# Altium PCB EBAZ4205.PcbDoc (part 4 of 6) (continued)
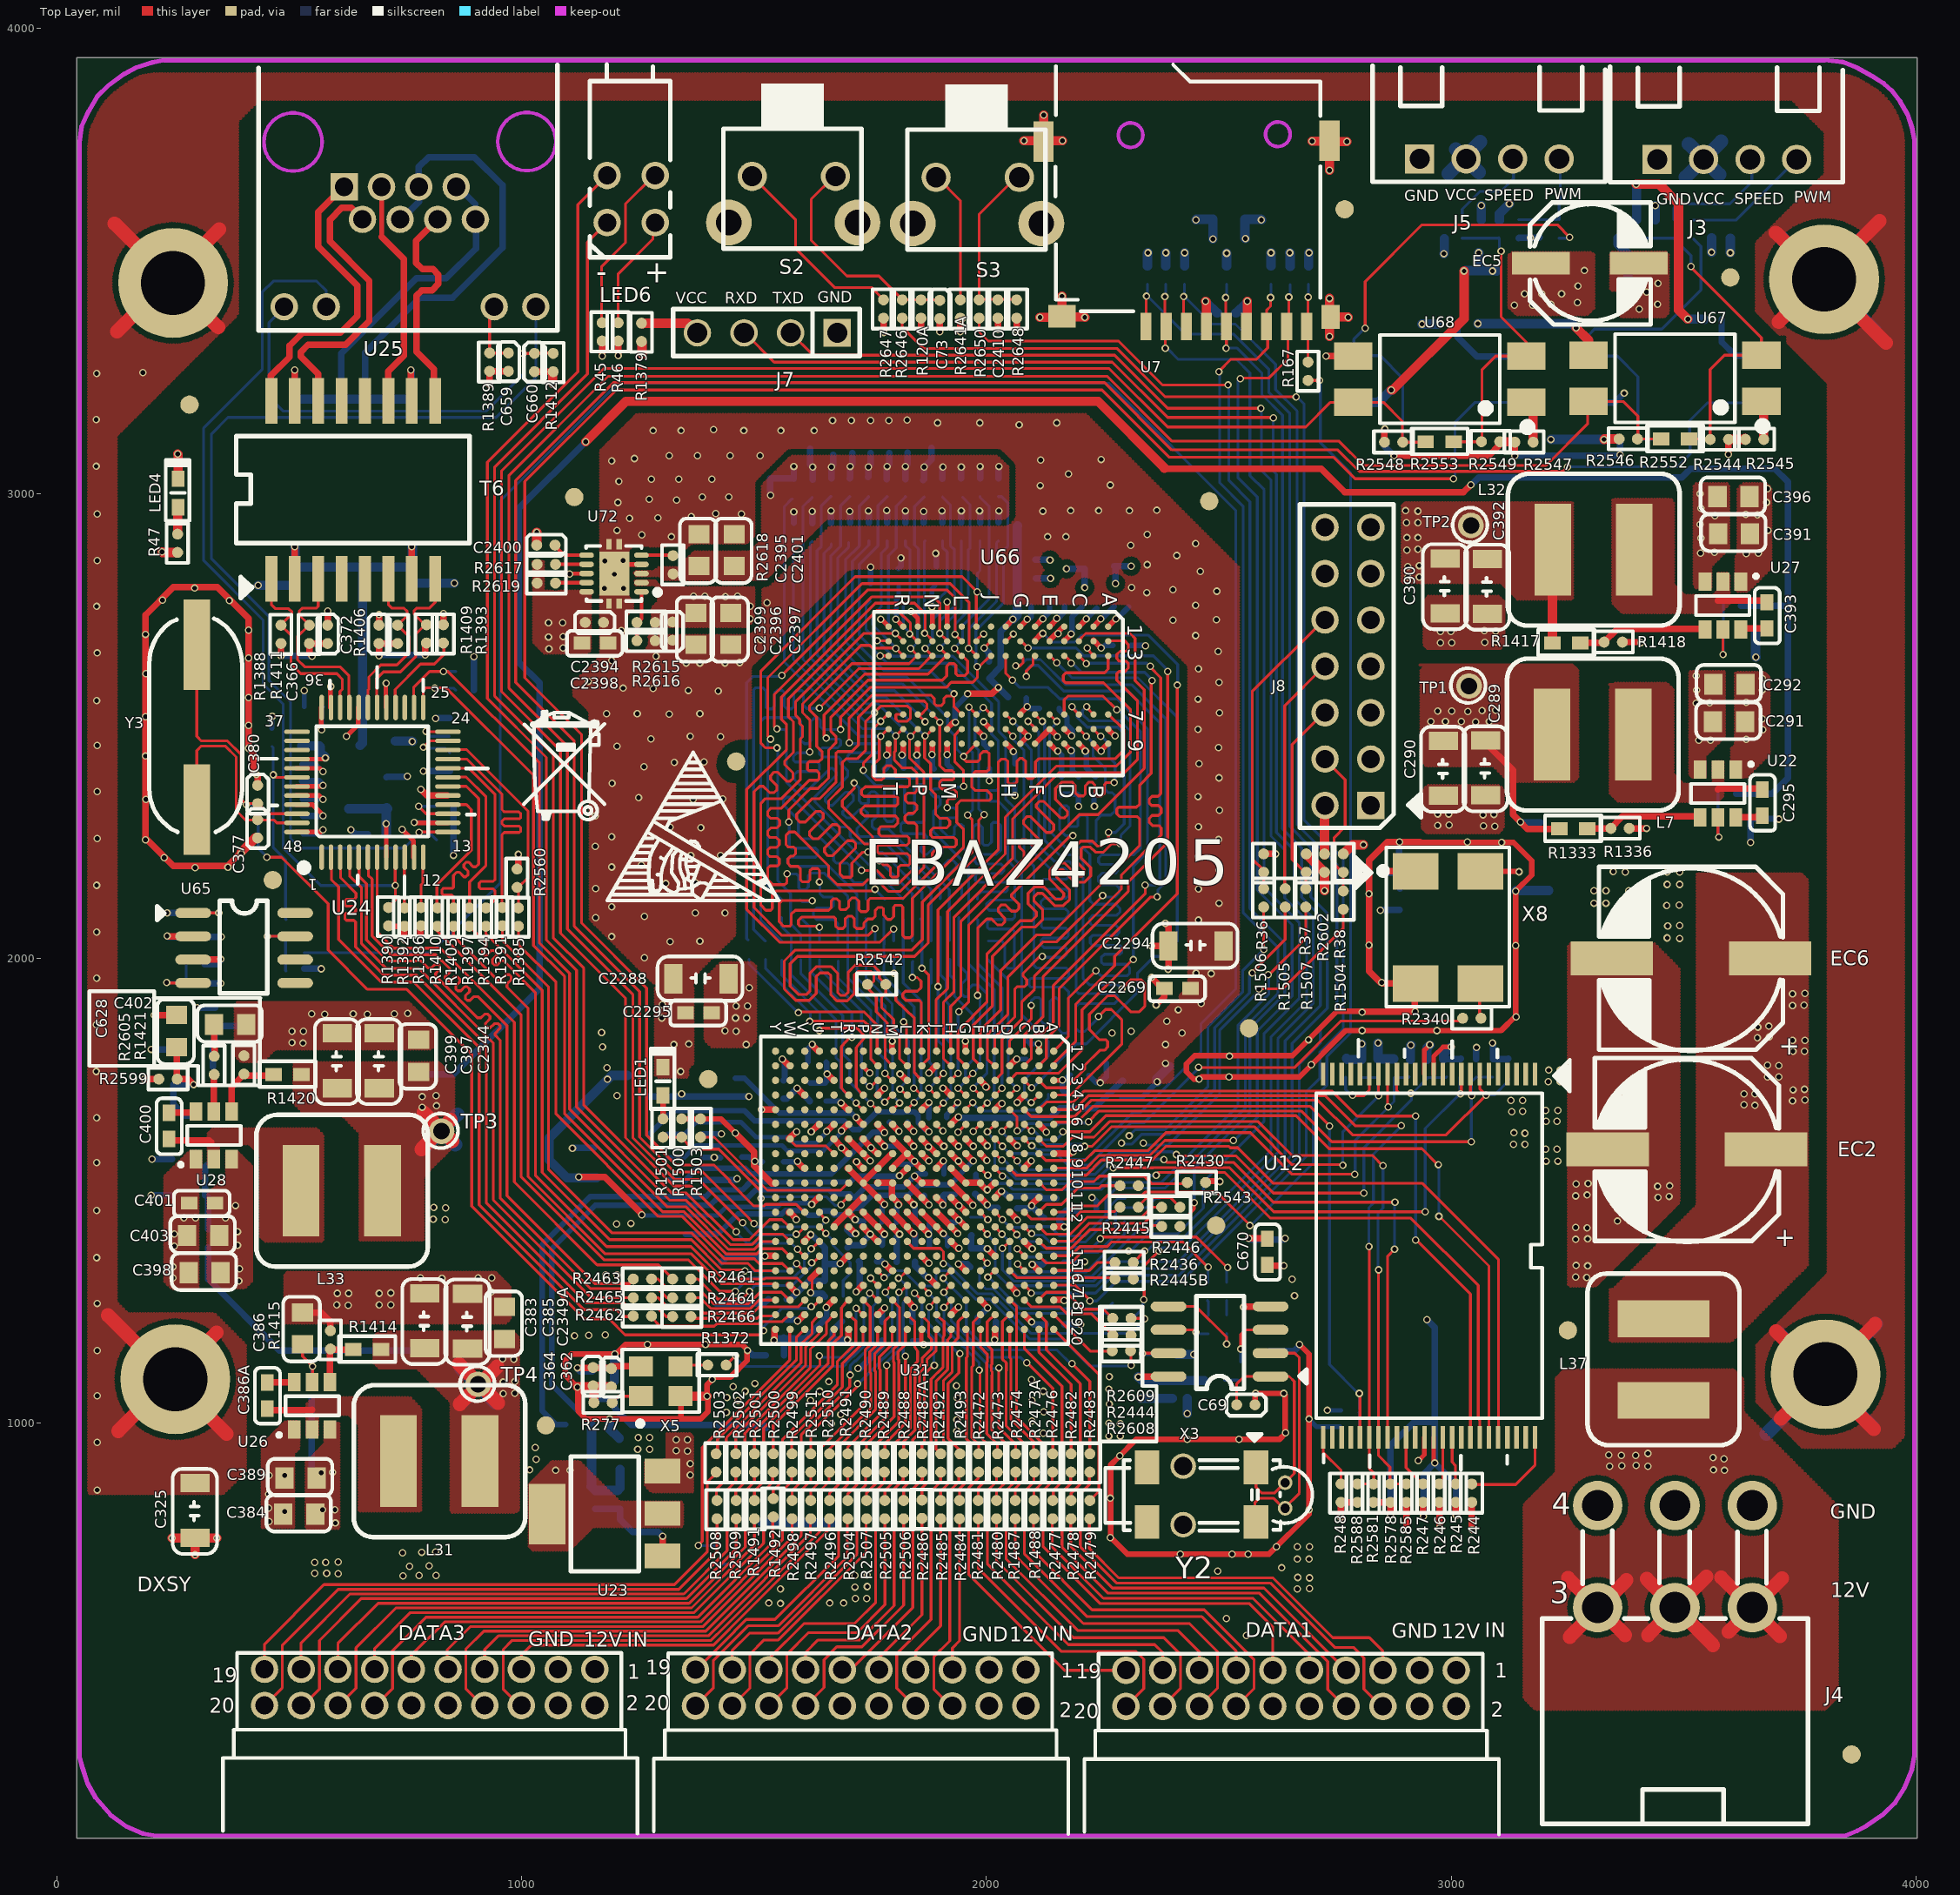
[diagram p0: Top Layer view]
## Nets (pads, with @x,y where several pads share a name; then routed paths per layer and width w, separated by ;. In a path a pad name is that pad's centre, name@x,y a point inside that pad or via, vN(x,y) a via of type N, cw(c..) or ccw(c..) an arc to the next point about the centre after c; other vN are vias at no path point) (continued)
  Bottom Layer w6: R166.1@2692.91,3449.8 2692.91,3424.21 v1@2693.9,3423.23
NetU12_25: R248.2 U12.25 | length 114.3
  Top Layer w6: U12.25@2724.41,969.49 2724.41,937.01 2762.8,898.62 R248.2@2762.8,871.06
NetU12_34: R247.2 U12.34 | length 117.4
  Top Layer w6: U12.34@2902.73,969.49 2902.73,904.36 2938.98,868.11 R247.2@2939.96,868.11
NetU12_38: R246.2 U12.38 | length 101.3
  Top Layer w6: R246.2@2977.36,870.08 2981.98,874.7 U12.38@2981.98,969.49
NetU12_39: R245.2 U12.39 | length 105.3
  Top Layer w6: U12.39@3001.8,969.49 3001.8,916.51 3008.86,909.45 R245.2@3008.86,867.13
NetU12_48: R244.2 U12.48 | length 213
  Top Layer w6: R244.2@3044.29,868.11 3138.78,868.11 3180.12,909.45 U12.48@3180.12,969.49
NetU20_3: C628.1 R2599.2 U20.3 U21.1 | length 240.9
  Top Layer w14: C628.1@257.87,1809.05 257.87,1741.14 R2599.2@258.86,1740.16 282.48,1740.16 v1(294.29,1728.35)
  Bottom Layer w14: U20.3@286.42,1661.42 275.59,1661.42 250.98,1686.02 U21.1@250.98,1728.35 v1(294.29,1728.35)
NetU22_2: C295.2 L7.2 U22.2 | length 97.1
  Top Layer w14: 3573.82,2363.19 3575.79,2365.16 3667.32,2365.16 C295.2@3669.29,2363.19
NetU22_4: R1333.2 R1336.1 U22.4 | length 253.5
  Top Layer w14: R1333.2@3292.32,2278.54 3293.31,2279.53 3342.52,2279.53 3368.11,2305.12 3533.46,2305.12 U22.4@3534.45,2304.13
NetU22_5: C294.2 R2603.1 U22.5 | length 128.6
  Top Layer w6: U22.5@3573.82,2303.15 3573.82,2262.79 v1(3575.79,2260.83)
  Bottom Layer w6: R2603.1@3573.82,2354.33 3573.82,2313.98 C294.2@3575.79,2312.01 ; v1@3574.8,2257.87 C294.2@3574.8,2300.2
NetU22_6: C295.1 U22.6 | length 53.2
  Top Layer w14: U22.6@3610.24,2303.15 3655.51,2303.15 C295.1@3659.45,2307.09 ; C295.1@3668.31,2309.05 3668.31,2308.07 C295.1@3669.29,2307.09
NetU24_10: R1392.2 U24.10 | length 109.4
  Top Layer w6: U24.10@747.67,2217.52 747.67,2108.63 R1392.2@748.03,2108.27
NetU24_12: R1386.2 U24.12 | length 109.3
  Top Layer w6: R1386.2@784.45,2110.24 783.46,2111.22 783.46,2157.48 787.4,2161.42 U24.12@787.4,2217.52
NetU24_15: R1381.2 U24.15 | length 104
  Top Layer w6: v1(778.54,2326.77) 794.47,2310.84 U24.15@840.55,2310.84
  Bottom Layer w6: v1(778.54,2326.77) R1381.2@813.98,2326.77
NetU24_16: R1410.2 U24.16 | length 296.8
  Top Layer w6: R1410.2@817.91,2109.25 817.91,2158.46 891.73,2232.28 891.73,2319.88 881.17,2330.44 U24.16@840.55,2330.44
NetU24_18: R1405.2 U24.18 | length 422.9
  Top Layer w6: R1405.2@853.35,2108.27 853.35,2131.89 849.41,2135.83 831.69,2135.83 828.74,2138.78 828.74,2147.64 831.69,2150.59 851.38,2150.59 853.35,2152.56 853.35,2178.15 860.24,2185.04 866.14,2185.04 875.98,2175.2 879.92,2175.2 884.84,2180.12 884.84,2187.01 875.98,2195.87 875.98,2201.77 880.91,2206.69 885.83,2206.69 895.67,2196.85 901.57,2196.85 907.48,2202.76 907.48,2343.5 880.91,2370.08 U24.18@854.33,2370.08
NetU24_19: R1397.2 U24.19 | length 343.2
  Top Layer w6: U24.19@851.38,2389.76 880.91,2389.76 923.23,2347.44 923.23,2199.8 887.8,2164.37 R1397.2@887.8,2108.27
NetU24_20: R1394.2 U24.20 | length 435.9
  Top Layer w6: U24.20@840.55,2408.82 886.45,2408.82 942.91,2352.36 942.91,2169.29 938.98,2165.35 912.4,2165.35 908.46,2161.42 908.46,2152.56 911.42,2149.61 937.99,2149.61 942.91,2144.68 942.91,2126.97 R1394.2@925.2,2109.25
NetU24_21: R1391.2 U24.21 | length 535.1
  Top Layer w6: U24.21@840.55,2428.42 882.61,2428.42 957.68,2353.35 957.68,2319.88 962.6,2314.96 994.09,2314.96 998.03,2311.02 998.03,2302.17 996.06,2300.2 962.6,2300.2 957.68,2295.28 957.68,2289.37 962.6,2284.45 994.09,2284.45 998.03,2280.51 998.03,2273.62 995.08,2270.67 962.6,2270.67 957.68,2265.75 957.68,2110.24 R1391.2@958.66,2109.25
NetU24_23: R1408.2 U24.23 | length 117.1
  Top Layer w6: v1(788.39,2453.74) 802.25,2467.61 U24.23@840.55,2467.61
  Bottom Layer w6: v1@790.35,2451.77 835.63,2451.77 R1408.2@845.47,2441.93
NetU24_24: R1396.1 U24.24 | length 101.9
  Top Layer w6: v1(794.29,2488.19) 795.28,2487.2 U24.24@840.55,2487.2
  Bottom Layer w6: v1@793.31,2487.2 803.15,2477.36 R1396.1@844.49,2477.36
NetU24_46: C380.1 R1485.2 U24.46 Y3.2 | length 513.4
  Top Layer w6: Y3.2@293.31,2626.97 301.18,2619.09 301.18,2477.36 311.02,2467.52 367.13,2467.52 396.65,2437.99 396.65,2341.54 v1(407.48,2330.71) 409.45,2332.68 C380.1@432.09,2332.68 ; C380.1@435.04,2330.71 454.9,2310.84 U24.46@515.75,2310.84
  Bottom Layer w6: v1@410.43,2330.71 R1485.2@433.07,2330.71
NetU24_47: C377.2 U24.47 Y3.1 | length 471.7
  Top Layer w6: Y3.1@301.18,2319.88 301.18,2446.85 311.02,2456.69 362.2,2456.69 385.83,2433.07 385.83,2317.91 406.5,2297.24 467.52,2297.24 473.43,2291.34 U24.47@505.91,2291.34
NetU25_1: T6.16 U25.1 | length 630.2
  Top Layer w14: T6.16@460.63,3214.57 460.63,3252.95 500.98,3293.31 500.98,3317.91 528.54,3345.47 610.24,3345.47 646.65,3381.89 646.65,3446.85 562.01,3531.5 562.01,3605.31 ; 564.96,3608.27 U25.1@619.09,3662.4 ; U25.1@616.14,3659.45 U25.1@619.09,3659.45
NetU25_2: T6.14 U25.2 | length 626.6
  Top Layer w14: T6.14@562.01,3212.6 562.01,3256.89 524.61,3294.29 524.61,3304.13 540.35,3319.88 621.06,3319.88 672.24,3371.06 672.24,3457.68 587.6,3542.32 587.6,3588.58 613.19,3614.17 633.86,3614.17 U25.2@658.46,3589.57
NetU25_3: T6.11 U25.3 | length 479.5
  Top Layer w10: 698.82,3552.17 698.82,3638.78 U25.3@702.76,3642.72
  Top Layer w14: 698.82,3552.17 747.05,3503.94 747.05,3296.26 713.3,3262.51 T6.11@713.3,3198.82
NetU25_4: R1404.2 U25.4 U25.5 | length 916.3
  Bottom Layer w14: R1404.2@663.39,3242.13 663.39,3303.15 781.5,3421.26 851.38,3421.26 958.66,3528.54 958.66,3663.39 898.62,3723.42 800.2,3723.42 778.87,3702.1 U25.5@778.87,3659.45 ; U25.4@738.52,3589.57 741.14,3589.57 779.53,3627.95 U25.5@779.53,3646.65
NetU25_6: T6.9 U25.6 | length 487.9
  Top Layer w14: T6.9@813.98,3198.82 811.02,3201.77 811.02,3267.72 773.62,3305.12 773.62,3425.2 785.43,3437.01 807.09,3437.01 820.87,3450.79 820.87,3470.47 809.06,3482.28 786.42,3482.28 772.64,3496.06 772.64,3543.31 U25.6@815.95,3586.61
NetU25_7: R1407.2 U25.7 U25.8 | length 565.8
  Bottom Layer w14: R1407.2@612.2,3242.13 612.2,3301.18 773.62,3462.6 837.6,3462.6 901.58,3526.57 U25.8@901.58,3577.76 ; U25.7@872.05,3650.59 900.59,3622.05 U25.8@900.59,3589.57
NetU25_10: C659.2 R1389.2 U25.10 | length 139.5
  Top Layer w6: U25.10@939.96,3396.65 931.1,3387.79 R1389.2@931.1,3302.16 C659.2@972.44,3302.16
NetU25_12: C660.2 R1412.2 U25.12 | length 908.9
  Top Layer w6: v1(1002.95,3301.18) C660.2@1027.56,3301.18 ; C660.2@1025.59,3300.2 1027.56,3302.17 R1412.2@1063.98,3302.17
  Bottom Layer w6: U25.12@489.17,3401.57 489.17,3399.61 456.69,3367.13 456.69,3206.69 486.22,3177.17 924.21,3177.17 1003.94,3256.89 v1@1003.94,3301.18
NetU26_2: C386A.1 L31.1 U26.2 | length 98.5
  Top Layer w14: C386A.1@452.76,1031.5 456.69,1027.56 548.23,1027.56 549.21,1028.54
NetU26_4: R1414.1 R1415.1 U26.4 | length 121.5
  Top Layer w14: U26.4@587.6,1088.58 587.6,1159.45 588.58,1158.46 R1414.1@637.8,1158.46
NetU26_6: C386A.2 U26.6 | length 58.5
  Top Layer w14: C386A.2@452.76,1087.6 509.84,1087.6 U26.6@510.83,1088.58
NetU27_2: C393.2 L32.2 U27.2 | length 106.9
  Top Layer w14: 3573.82,2769.68 3675.2,2769.68 C393.2@3679.13,2765.75
NetU27_4: R1417.2 R1418.1 U27.4 | length 285.7
  Top Layer w14: R1417.2@3277.56,2678.15 3278.54,2679.13 3327.76,2679.13 3357.28,2708.66 3549.21,2708.66 U27.4@3550.2,2709.65
NetU27_5: C395.2 R2604.1 U27.5 | length 163.8
  Top Layer w6: v1(3584.65,2653.54) U27.5@3584.65,2707.68
  Bottom Layer w6: R2604.1@3585.63,2761.81 C395.2@3585.63,2699.8 3585.63,2653.54 v1@3586.61,2652.56
NetU27_6: C393.1 U27.6 | length 56.3
  Top Layer w14: U27.6@3624.02,2706.69 3626.97,2709.65 C393.1@3679.13,2709.65
NetU28_2: C400.1 L33.1 U28.2 | length 93.4
  Top Layer w14: C400.1@241.14,1611.22 244.09,1608.27 327.76,1608.27 331.69,1604.33
NetU28_4: R1420.1 R1421.1 U28.4 | length 150.9
  Top Layer w14: U28.4@375.98,1670.28 375.98,1723.42 400.59,1748.03 R1420.1@463.58,1748.03
NetU28_6: C400.2 U28.6 | length 53.6
  Top Layer w14: C400.2@240.16,1668.31 292.32,1668.31 U28.6@293.31,1669.29
NetU30_2: R1481.1 U30.2 | length 50.6
  Bottom Layer w6: R1481.1@1415.35,696.85 1464.57,696.85 U30.2@1465.55,697.83
NetU30_3: R1482.1 R1483.1 U30.3 | length 158.9
  Bottom Layer w20: U30.3@1516.73,786.42 R1483.1@1615.16,786.42 1674.21,786.42 R1482.1@1675.2,787.4
NetU31_A16: R2436.1 U31.A16 | length 136
  Top Layer w6: U31.A16@2144.69,1328.53 2221.25,1328.53 2238.19,1345.47 R2436.1@2273.62,1345.47
NetU31_A19: R2608.1 U31.A19 | length 152.1
  Top Layer w6: U31.A19@2144.69,1234.2 2224.36,1154.53 R2608.1@2263.78,1154.53
NetU31_B12: R2447.1 U31.B12 | length 195.8
  Top Layer w6: U31.B12@2113.03,1454.31 2129.2,1470.47 2161.42,1470.47 2196.85,1505.91 2243.11,1505.91 2248.03,1510.83 R2447.1@2285.43,1510.83
NetU31_B13: R2543.1 U31.B13 | length 293
  Top Layer w6: U31.B13@2113.03,1422.87 2129.59,1406.31 2179.94,1406.31 2216.54,1442.91 2333.66,1442.91 2355.32,1464.57 R2543.1@2375,1464.57
NetU31_B14: R2446.1 U31.B14 | length 285.8
  Top Layer w6: U31.B14@2113.03,1391.42 2128.47,1375.98 2182.09,1375.98 2222.44,1416.34 2346.46,1416.34 2355.32,1425.2 R2446.1@2372.05,1425.2
NetU31_B18: R2609.1 U31.B18 | length 194
  Top Layer w6: U31.B18@2113.03,1265.65 2113.09,1265.65 2128.94,1281.5 2172.24,1281.5 2208.66,1245.08 2251.97,1245.08 R2609.1@2275.59,1221.46
NetU31_C12: R2445.1 U31.C12 | length 298.9
  Top Layer w6: U31.C12@2081.38,1454.31 2096.72,1438.98 ; 2172.24,1438.98 2096.72,1438.98 ; R2445.1@2282.48,1461.61 R2445.1@2285.43,1464.57 ; R2445.1@2284.19,1463.32 2276.2,1455.34 2203.18,1455.34 2186.82,1438.98 2096.72,1438.98
NetU31_C13: R2442.2 U31.C13 | length 280.3
  Top Layer w6: U31.C13@2081.38,1422.87 2095.47,1408.78 v1@2095.47,1408.46
  Bottom Layer w6: v1@2097.44,1404.53 2121.06,1404.53 2135.83,1389.76 2213.58,1389.76 2266.89,1443.07 2266.89,1467.68 2282.48,1483.27 R2442.2@2298.23,1483.27
  other v1: 2097.44,1407.48
NetU31_C15: R2434.2 U31.C15 | length 417.9
  Top Layer w6: v1(2065.95,1375) 2066.36,1375 U31.C15@2081.38,1359.98
  Bottom Layer w6: v1@2065.95,1372.05 v1(2065.95,1375) 2083.41,1357.54 2107.54,1357.54 2117.13,1367.13 2174.84,1367.13 ; 2174.84,1366.95 2239.42,1366.95 2277.73,1405.27 2277.73,1452.76 2288.43,1463.46 2343.84,1463.46 2363.65,1483.27 R2434.2@2372.05,1483.27
NetU31_C16: R2441.2 U31.C16 | length 318.9
  Top Layer w6: v1(2066.93,1342.52) 2080.92,1328.53 U31.C16@2081.38,1328.53
  Bottom Layer w6: v1(2066.93,1342.52) 2066.93,1339.57 2080.96,1325.54 2215.3,1325.54 2297.24,1407.48 R2441.2@2297.24,1433.07
NetU31_C18: R2444.1 U31.C18 | length 220.8
  Top Layer w6: U31.C18@2081.38,1265.65 2097.03,1250 2158.46,1250 2173.39,1235.08 2226.54,1235.08 2269.69,1191.93 R2444.1@2269.69,1189.96
NetU31_D16: R2445B.1 U31.D16 | length 233.1
  Top Layer w6: U31.D16@2049.73,1328.53 2065.27,1312.99 2273.62,1312.99 R2445B.1@2275.59,1311.02
NetU31_E13: R2443.2 U31.E13 | length 480.8
  Top Layer w6: U31.E13@2018.08,1422.87 2018.08,1421.88 v1(2033.46,1406.5)
  Bottom Layer w6: v1@2034.45,1405.51 2050.2,1389.76 2050.2,1332.68 2067.34,1315.54 2225.97,1315.54 2328.74,1418.31 2351.38,1418.31 R2443.2@2371.06,1437.99
NetU31_E16: R2435.2 U31.E16 | length 325
  Top Layer w6: v1(2002.95,1313.98) 2017.51,1328.53 U31.E16@2018.08,1328.53
  Bottom Layer w6: v1@2001.97,1315.94 2002.95,1315.94 2072.68,1246.22 2259.02,1246.22 R2435.2@2271.65,1258.86
NetU31_F12: R2539.2 U31.F12 | length 63.5
  Top Layer w6: U31.F12@1986.43,1454.31 2002.75,1437.99 v1(2002.95,1437.99)
  Bottom Layer w6: R2539.2@1965.55,1442.91 1996.06,1442.91 v1@2002.95,1436.02
NetU31_F15: R2437.2 U31.F15 | length 387.3
  Top Layer w6: U31.F15@1986.43,1359.98 1986.48,1359.98 v1(2001.97,1344.49)
  Bottom Layer w6: v1@2000.98,1340.55 1985.24,1324.8 1985.24,1302.16 1998.86,1288.54 2015.59,1288.54 2067.91,1236.22 2258.86,1236.22 R2437.2@2272.64,1222.44
NetU31_G5: R2457.2 U31.G5 | length 214.3
  Top Layer w6: U31.G5@1954.78,1674.42 1954.93,1674.42 v1(1970.47,1689.96)
  Bottom Layer w6: v1(1970.47,1689.96) 1970.47,1687.99 1987.2,1671.26 2076.53,1671.26 2078.8,1673.53 2108.57,1673.53 2132.87,1697.83 R2457.2@2132.87,1707.68
NetU31_G8: C2349.2 C2350.2 FB10.1 U31.G8 | length 713.3
  Top Layer w14: U31.G8@1954.78,1580.09 1970.89,1563.98 v1(1971.46,1563.98)
  Bottom Layer w12: C2349.2@1429.13,1413.39 1465.55,1449.8 1560.04,1449.8 1567.91,1457.68 1606.3,1457.68 1617.13,1446.85 1637.51,1446.85 1647.35,1456.69 1663.39,1456.69 1672.24,1447.83 1700.49,1447.83 1714.27,1461.61 1725.39,1461.61 1753.94,1490.16 1832.68,1490.16 1855.32,1512.79 1922.24,1512.79 1941.93,1532.48 1941.93,1534.45 v1(1971.46,1563.98)
  Bottom Layer w14: FB10.1@1353.35,1406.5 1418.31,1406.5 C2349.2@1420.28,1408.46
NetU31_H5: R2456.1 U31.H5 | length 61
  Top Layer w6: U31.H5@1923.13,1674.42 1923.13,1675.09 v1(1937.99,1689.96)
  Bottom Layer w12: R2456.1@1914.37,1657.48 1914.37,1663.39 v1@1937.99,1687.01
NetU31_H6: C2303.1 C2304.2 R2458.1 R2459.2 U31.H6 | length 410.1
  Top Layer w14: U31.H6@1923.13,1642.98 1937.99,1657.84 v1@1937.99,1658.46
  Bottom Layer w14: v1@1939.96,1656.5 2082.27,1656.5 2084.81,1659.03 2110.07,1659.03 2112.61,1656.5 2136.81,1656.5 2157.48,1677.17 2232.28,1677.17 2291.34,1736.22 C2304.2@2293.31,1736.22
  other v1: 1939.96,1658.46
NetU31_N6: R1494.1 R1499.2 U31.N6 | length 547.2
  Top Layer w14: U31.N6@1764.87,1642.98 1780.51,1627.33 1780.51,1626.97 1775.07,1632.41
  Bottom Layer w12: R1494.1@1314.96,1522.64 R1499.2@1350.39,1522.64 1352.36,1520.67 1352.36,1522.64 1377.95,1548.23 1481.3,1548.23 1493.11,1536.42 1666.34,1536.42 1755.91,1625.98 v1@1776.58,1625.98
  other v1: 1780.51,1625
NetU31_P6: C1985.1 C1987.2 R2159.1 R2161.2 U31.P6 | length 315.1
  Top Layer w14: v1(1719.49,1657.48) 1719.49,1656.7 U31.P6@1733.22,1642.98
  Bottom Layer w12: C1987.2@1459.65,1742.13 1479.33,1742.13 1554.13,1667.32 1709.65,1667.32 v1(1719.49,1657.48)
NetU31_R6: R1495.1 R1497.2 U31.R6 | length 424.8
  Top Layer w14: v1@1687.01,1628.94 1701.05,1642.98 U31.R6@1701.57,1642.98
  Bottom Layer w10: R1495.1@1314.96,1571.85 R1497.2@1350.39,1571.85 1375.98,1597.44 1560.04,1597.44 1571.85,1585.63 1648.62,1585.63 1687.01,1624.02 v1@1687.01,1625
  other v1: 1687.99,1628.94
NetU31_T6: R1496.1 R1498.2 U31.T6 | length 402.6
  Top Layer w14: v1(1656.5,1627.95) 1669.91,1641.37 U31.T6@1669.91,1642.98
  Bottom Layer w10: R1496.1@1314.96,1622.05 1350.39,1622.05 1375.98,1647.64 1471.46,1647.64 1503.94,1615.16 1572.83,1615.16 1585.63,1602.36 1632.87,1602.36 v1@1657.48,1626.97
NetU31_V18: R2465.2 U31.V18 | length 352.2
  Top Layer w6: R2465.2@1279.53,1269.68 1294.29,1269.68 1313.98,1250 1377.95,1250 1391.22,1236.73 1497.56,1236.73 1510.83,1250 1594.49,1250 U31.V18@1607.28,1262.8
NetU65_7: R1401.2 R1950.2 R2392.2 U65.7 | length 174.9
  Top Layer w6: v1(452.76,2047.24) U65.7@512.8,2047.24
  Bottom Layer w6: v1@453.74,2050.2 456.69,2047.24 R1401.2@492.13,2047.24 492.13,1973.42 R1950.2@493.11,1972.44
NetU69_1: R2551.2 U69.1 | length 148.1
  Bottom Layer w14: R2551.2@3581.69,3375 3581.69,3325.79 3611.22,3296.26 U69.1@3668.31,3296.26
NetU70_1: R3555.2 U70.1 | length 189.8
  Bottom Layer w14: R3555.2@3012.8,3366.14 3012.8,3336.61 3055.12,3294.29 U70.1@3155.51,3294.29
NetU72_6: C2400.2 U72.6 | length 73.7
  Top Layer w8: C2400.2@1072.83,2885.83 1091.54,2867.13 U72.6@1138.78,2867.13
NetU72_7: R2617.2 U72.7 | length 65.9
  Top Layer w8: R2617.2@1072.83,2847.44 U72.7@1138.78,2847.44
NetU72_9: R2619.2 U72.9 | length 65
  Top Layer w8: R2619.2@1073.82,2808.07 U72.9@1138.78,2808.07
NetX3_5: R122.1 X3.5 | length 191.9
  Top Layer w6: X3.5@2391.73,1250.98 2450.79,1250.98 2516.73,1185.04 v1(2516.73,1170.28)
  Bottom Layer w6: v1@2513.78,1169.29 2516.73,1172.24 R122.1@2516.73,1192.91
NetX3_6: R120.1 X3.6 | length 89.5
  Top Layer w6: X3.6@2391.73,1200.79 2445.87,1200.79 v1(2450.79,1195.87)
  Bottom Layer w6: v1@2449.8,1193.9 2451.77,1191.93 R120.1@2477.36,1191.93
NetX3_7: C71.2 X3.7 | length 92.2
  Top Layer w6: v1(2335.63,1149.61) 2336.61,1150.59 X3.7@2391.73,1150.59
  Bottom Layer w6: v1@2336.61,1150.59 2339.57,1147.64 C71.2@2371.06,1147.64
NetX5_1: R277.2 X5.1 | length 70.1
  Top Layer w6: R277.2@1192.91,1043.31 1207.68,1058.07 X5.1@1256.89,1058.07
NetX5_2: C362.2 C364.2 L29.1 X5.2 | length 174.8
  Top Layer w14: v1(1120.08,1119.09) 1192.91,1119.09 1195.87,1122.05 X5.2@1256.89,1122.05
  Bottom Layer w14: v1@1121.06,1116.14 1125.98,1111.22 1151.58,1111.22 L29.1@1154.53,1114.17
NetX8_4: C2285.2 C2287.2 L113.2 X8.4 | length 83.1
  Top Layer w12: X8.4@3062.99,2187.01 3144.69,2187.01 v1(3145.67,2186.02)
NetY2_7: X3.2 Y2.2 Y2.7 | length 518.8
  Top Layer w6: Y2.2@2579.72,787.4 2577.76,789.37 2577.76,829.72 2586.61,838.58 2617.13,838.58 Y2.7@2638.78,816.93 ; X3.2@2611.22,1150.59 2663.39,1150.59 2673.23,1140.75 2673.23,849.41 Y2.7@2641.73,817.91
PS-DDR-A0_0: R2517.1 U31.N2 | length 395.6
  Top Layer w6: v1(1620.08,1864.17) 1621.06,1865.16 1735.24,1865.16 1751,1852 1751,1784 U31.N2@1764.87,1768.75
  Bottom Layer w6: R2517.1@1524.61,1998.03 1524.61,1978.35 1621.06,1881.89 v1@1621.06,1867.13
PS-DDR-A1_0: R2518.1 U31.K2 | length 329.9
  Top Layer w6: U31.K2@1859.82,1768.75 1875.98,1784.91 1875.98,1963.58 v1(1861.22,1978.35)
  Bottom Layer w6: R2518.1@1858.27,2084.65 1861.22,2081.69 v1(1861.22,1978.35)
PS-DDR-A2_0: R2519.1 U31.M3 | length 389.2
  Top Layer w6: v1(1781.5,1751.97) 1796.16,1737.31 U31.M3@1796.52,1737.31
  Bottom Layer w6: R2519.1@1701.77,2087.6 1701.77,1957.68 1765.75,1893.7 1765.75,1798.23 1782.48,1781.5 v1@1782.48,1752.95
PS-DDR-A3_0: R2520.1 U31.K3 | length 285.3
  Top Layer w6: v1(1801.18,1967.52) 1805.12,1963.58 1805.12,1909.45 1845,1871 1845,1754 U31.K3@1859.82,1737.31
  Bottom Layer w6: v1(1801.18,1967.52) 1801.18,1997.05 R2520.1@1802.17,1998.03
PS-DDR-A4_0: R2521.1 U31.M4 | length 370.7
  Top Layer w6: v1@1780.51,1688.98 1780.51,1689.86 v1(1781.17,1690.51) U31.M4@1796.52,1705.86
  Bottom Layer w6: R2521.1@1681.1,1994.09 1681.1,1957.68 1750.98,1887.79 1750.98,1783.46 1765.02,1769.43 1765.02,1756.98 ; 1765.01,1756.97 1765.01,1706.67 v1(1781.17,1690.51) v1@1778.97,1690.51
PS-DDR-A5_0: R2522.1 U31.L1 | length 225.7
  Top Layer w6: v1(1821.85,1863.19) 1828.17,1856.87 U31.L1@1828.17,1800.2
  Bottom Layer w6: R2522.1@1760.83,1998.03 1760.83,1958.66 1821.85,1897.64 v1(1821.85,1863.19)
PS-DDR-A6_0: R2523.1 U31.L4 | length 432.9
  Top Layer w6: v1@1812.99,1720.47 1827.6,1705.86 U31.L4@1828.17,1705.86
  Bottom Layer w6: R2523.1@1740.16,2085.63 1741.14,2084.65 1741.14,1957.68 1797.24,1901.57 1797.24,1858.27 1832.68,1822.83 1832.68,1740.16 v1@1812.99,1720.47
  other v1: 1813.98,1718.5
PS-DDR-A7_0: R2524.1 U31.K4 | length 417.8
  Top Layer w6: v1(1843.5,1720.47) 1845.21,1720.47 U31.K4@1859.82,1705.86
  Bottom Layer w6: R2524.1@1781.5,2087.6 1779.53,2085.63 1779.53,2045.3 1779.64,2045.19 1779.64,2029.61 1779.53,2029.5 1779.53,2005.93 1779.64,2005.82 1779.64,1990.24 1779.53,1990.13 1779.53,1960.63 1844.49,1895.67 1844.49,1721.46 v1(1843.5,1720.47)
PS-DDR-A8_0: R2525.1 U31.K1 | length 272
  Top Layer w6: v1(1840.55,1958.66) 1851.38,1958.66 1859.25,1950.79 1859.25,1937.01 1851.38,1929.13 1825.79,1929.13 1819.88,1923.23 1819.88,1916.34 1826.77,1909.45 1855.32,1909.45 1859.82,1904.94 U31.K1@1859.82,1800.2
  Bottom Layer w6: v1(1840.55,1958.66) 1840.55,1992.13 R2525.1@1841.54,1993.11
PS-DDR-A9_0: R2526.1 U31.J4 | length 314.4
  Top Layer w6: v1@1876.97,1719.49 1890.59,1705.86 U31.J4@1891.47,1705.86
  Bottom Layer w6: v1@1875,1718.5 1891.73,1735.24 1891.73,1761.81 1876.97,1776.57 1876.97,1942.91 1880.91,1946.85 R2526.1@1880.91,1998.03
  other v1: 1875.98,1720.47
PS-DDR-A10_0: R2527.1 U31.F5 | length 360.6
  Top Layer w6: U31.F5@1986.43,1674.42 2000.98,1688.98 v1(2001.97,1688.98)
  Bottom Layer w6: R2527.1@1961.61,1998.03 1961.61,1988.19 2016.73,1933.07 2016.73,1702.76 v1@2001.97,1687.99
PS-DDR-A11_0: R2528.1 U31.G4 | length 334.2
  Top Layer w6: v1(1938.98,1720.47) 1953.58,1705.86 U31.G4@1954.78,1705.86
  Bottom Layer w6: R2528.1@1921.26,1998.03 1921.26,1963.58 1931.1,1953.74 1931.1,1918.31 1971.46,1877.95 1971.46,1782.48 1954.72,1765.75 1954.72,1735.24 1939.96,1720.47 v1(1938.98,1720.47)
PS-DDR-A12_0: R2529.1 U31.E4 | length 406.6
  Top Layer w6: U31.E4@2018.08,1705.86 2018.86,1705.86 v1(2033.46,1720.47)
  Bottom Layer w6: R2529.1@1980.32,2083.66 1981.3,2082.68 1981.3,1989.17 2033.46,1937.01 v1(2033.46,1720.47)
PS-DDR-A13_0: R2530.1 U31.D4 | length 326.3
  Top Layer w6: U31.D4@2049.73,1705.86 2050.35,1705.86 v1(2064.96,1720.47)
  Bottom Layer w6: R2530.1@2000.98,1999.02 2047.24,1952.76 2047.24,1738.19 v1(2064.96,1720.47)
PS-DDR-A14_0: R2531.1 U31.F4 | length 493.2
  Top Layer w6: v1(1971.46,1720.47) 1971.82,1720.47 U31.F4@1986.43,1705.86
  Bottom Layer w6: R2531.1@1940.95,2087.6 1940.95,1985.24 1958.66,1967.52 1958.66,1956.69 1946.85,1944.88 1946.85,1923.23 1952.76,1917.32 1958.66,1917.32 1960.63,1919.29 1960.63,1933.07 1970.47,1942.91 1982.28,1942.91 2000.98,1924.21 2000.98,1751.97 v1@1972.44,1723.42
PS-DDR-BA0_0: R2514.1 U31.L5 | length 437.7
  Top Layer w6: U31.L5@1828.17,1674.42 1828.95,1674.42 v1(1844.49,1689.96)
  Bottom Layer w6: R2514.1@1820.87,2082.68 1820.87,1946.85 1859.5,1908.21 1859.5,1704.98 v1(1844.49,1689.96)
PS-DDR-BA1_0: R2515.1 U31.R4 | length 444.9
  Top Layer w6: U31.R4@1701.57,1705.86 1688,1721 1688,1810 1705.71,1829.72 v1(1710.63,1829.72)
  Bottom Layer w6: R2515.1@1599.41,2086.61 1601.38,2086.61 1620.08,2067.91 1620.08,1973.42 1710.63,1882.87 v1(1710.63,1829.72)
PS-DDR-BA2_0: R2516.1 U31.J5 | length 446
  Top Layer w6: U31.J5@1891.47,1674.42 1892.92,1674.42 v1(1907.48,1688.98)
  Bottom Layer w6: R2516.1@1900.59,2088.58 1900.59,1964.57 1913.39,1951.77 1913.39,1906.5 1920.28,1899.61 1920.28,1862.2 1913.39,1855.31 1913.39,1826.77 1923.23,1816.93 1923.23,1704.72 v1@1905.51,1687.01
PS-DDR-CAS_0: R2533.1 U31.P5 | length 485.9
  Top Layer w6: v1(1719.49,1688.98) 1719.49,1688.15 U31.P5@1733.22,1674.42
  Bottom Layer w6: R2533.1@1559.06,2087.6 1559.06,2068.9 1579.72,2048.23 1579.72,1964.57 1676.18,1868.11 1676.18,1786.42 1686.02,1776.57 1686.02,1721.46 1718.5,1688.98 v1@1718.5,1687.99
PS-DDR-CKE_0: R2536.1 U31.N3 | length 338
  Top Layer w6: v1@1750,1722.44 U31.N3@1764.87,1737.31
  Bottom Layer w6: R2536.1@1640.75,1997.05 1640.75,1977.36 1731.3,1886.81 1731.3,1739.17 v1@1746.56,1723.92
  other v1: 1749,1724
PS-DDR-CS_0: R2535.1 U31.N1 | length 392.3
  Top Layer w6: v1(1595.47,1882.87) 1597.44,1884.84 1736.22,1884.84 1764.87,1856.19 U31.N1@1764.87,1800.2
  Bottom Layer w6: R2535.1@1489.17,1998.03 1489.17,1988.19 1590.55,1886.81 v1@1591.54,1886.81
PS-DDR-ODT_0: R2513.1 U31.N5 | length 392.3
  Top Layer w6: v1(1750.98,1687.99) 1751.3,1687.99 U31.N5@1764.87,1674.42
  Bottom Layer w6: R2513.1@1600.39,1997.05 1600.39,1967.52 1690.95,1876.97 1690.95,1794.29 1705.71,1779.53 1705.71,1733.27 v1@1751.97,1687.01
PS-DDR-RAS_0: R2532.1 U31.P4 | length 427.1
  Top Layer w6: v1(1640.75,1844.49) 1645.67,1849.41 1721.46,1849.41 1736.22,1834.65 1736.22,1827.76 1720,1808 1720,1723 U31.P4@1733.22,1705.86
  Bottom Layer w6: R2532.1@1560.04,1996.06 1560.04,1963.58 1641.73,1881.89 v1@1641.73,1845.47
PS-DDR-WE_0: R2534.1 U31.M5 | length 366.1
  Top Layer w6: U31.M5@1796.52,1674.42 1798.44,1674.42 v1(1812.99,1688.98)
  Bottom Layer w6: R2534.1@1721.46,1998.03 1721.46,1957.68 1781.5,1897.64 1781.5,1828.73 1781.24,1828.48 1781.24,1807.34 1798.23,1790.35 1798.23,1757.86 1797.98,1757.61 1797.98,1704.98 v1@1811.02,1691.93
REGOUT: C379.2 C382.1 L30.2 U24.8 | length 211
  Top Layer w10: v1@707.95,2288.65 v1(708.66,2289.37) U24.8@708.66,2218.24
  Bottom Layer w20: L30.2@627.95,2321.85 707.68,2321.85 C379.2@709.65,2323.82 ; C382.1@708.66,2266.73 708.66,2318.9 C379.2@711.61,2321.85
REGOUT.0: C368.1 C371.1 C373.1 C375.1 L30.1 T6.2 T6.7 U24.32 | length 936.4
  Top Layer w10: v1(623.03,2477.36) 648.35,2502.68 U24.32@648.35,2539.37
  Top Layer w14: v1(511.81,2885.83) 511.95,2885.69 T6.2@511.95,2815.94 ; T6.7@763.64,2815.94 763.64,2885.69 v1(763.78,2885.83)
  Bottom Layer w20: v1@511.81,2884.84 512.8,2883.86 C375.1@512.8,2841.54 657.51,2841.54 ; C371.1@652.56,2457.68 657.51,2462.63 657.51,2841.53 ; v1(763.78,2885.83) 764.76,2884.84 764.76,2845.47 760.83,2841.54 657.51,2841.54
RESET.0_0: R2392.1 U31.C7 | length 4793.2
  Top Layer w6: U31.C7@2081.38,1611.53 2096.46,1596.46 v1@2097.44,1596.46
  Bottom Layer w6: R2392.1@532.48,2011.81 804.13,2011.81 953.74,2161.42 953.74,2983.27 1207.68,3237.2 2262.8,3237.2 2536.42,2963.58 2536.42,1934.05 2461.61,1859.25 2461.61,1799.21 2330.71,1668.31 2314.96,1668.31 2213.58,1566.93 2178.15,1566.93 2157.48,1587.6 2109.6,1587.6 2101.73,1595.47 v1@2100.39,1595.47
  other v1: 2097.54,1596.53
RESET.1_0: C376.1 R1401.1 R1995.1 U24.42 | length 437.1
  Top Layer w6: v1(465.55,2394.68) 471.01,2389.23 U24.42@515.75,2389.23
  Bottom Layer w6: R1995.1@462.6,2455.71 465.55,2452.76 465.55,2238.19 492.13,2211.61 492.13,2084.65 R1401.1@493.11,2083.66
REST.ON_0: R2469.2 U24.26 U31.Y14 | length 1775.4
  Top Layer w6: U24.26@767.54,2539.37 767.54,2582.5 802.17,2617.13 v1(831.69,2617.13) 841.54,2617.13 1038.39,2420.28 1038.39,2032.48 1103.35,1967.52 1103.35,1675.2 1312.99,1465.55 1353.35,1465.55 1445.14,1373.76 1499.12,1373.76 1499.69,1374.33 1501.3,1374.33 1517.72,1390.75 U31.Y14@1542.32,1390.75
  Bottom Layer w6: v1@835.63,2617.13 R2469.2@858.27,2617.13
RXCLK_0: R1410.1 U31.U14 | length 1410.2
  Top Layer w6: R1410.1@818.9,2068.9 818.9,2058.07 999.02,1877.95 999.02,1529.53 1177.17,1351.38 1358.27,1351.38 1426.18,1283.46 v1(1459.65,1283.46) ; v1@1624.02,1375 1638.26,1389.25 U31.U14@1638.26,1391.42
  Bottom Layer w6: v1@1459.65,1284.45 1460.63,1284.45 1489.17,1312.99 1585.27,1312.99 1608.27,1335.99 1608.27,1338.59 1608.02,1338.84 1608.02,1356.05 v1@1623.03,1371.06
  other v1: 1623.03,1375